# Altium PCB AATB-V2.1.PcbDoc (part 1 of 5) (continued)
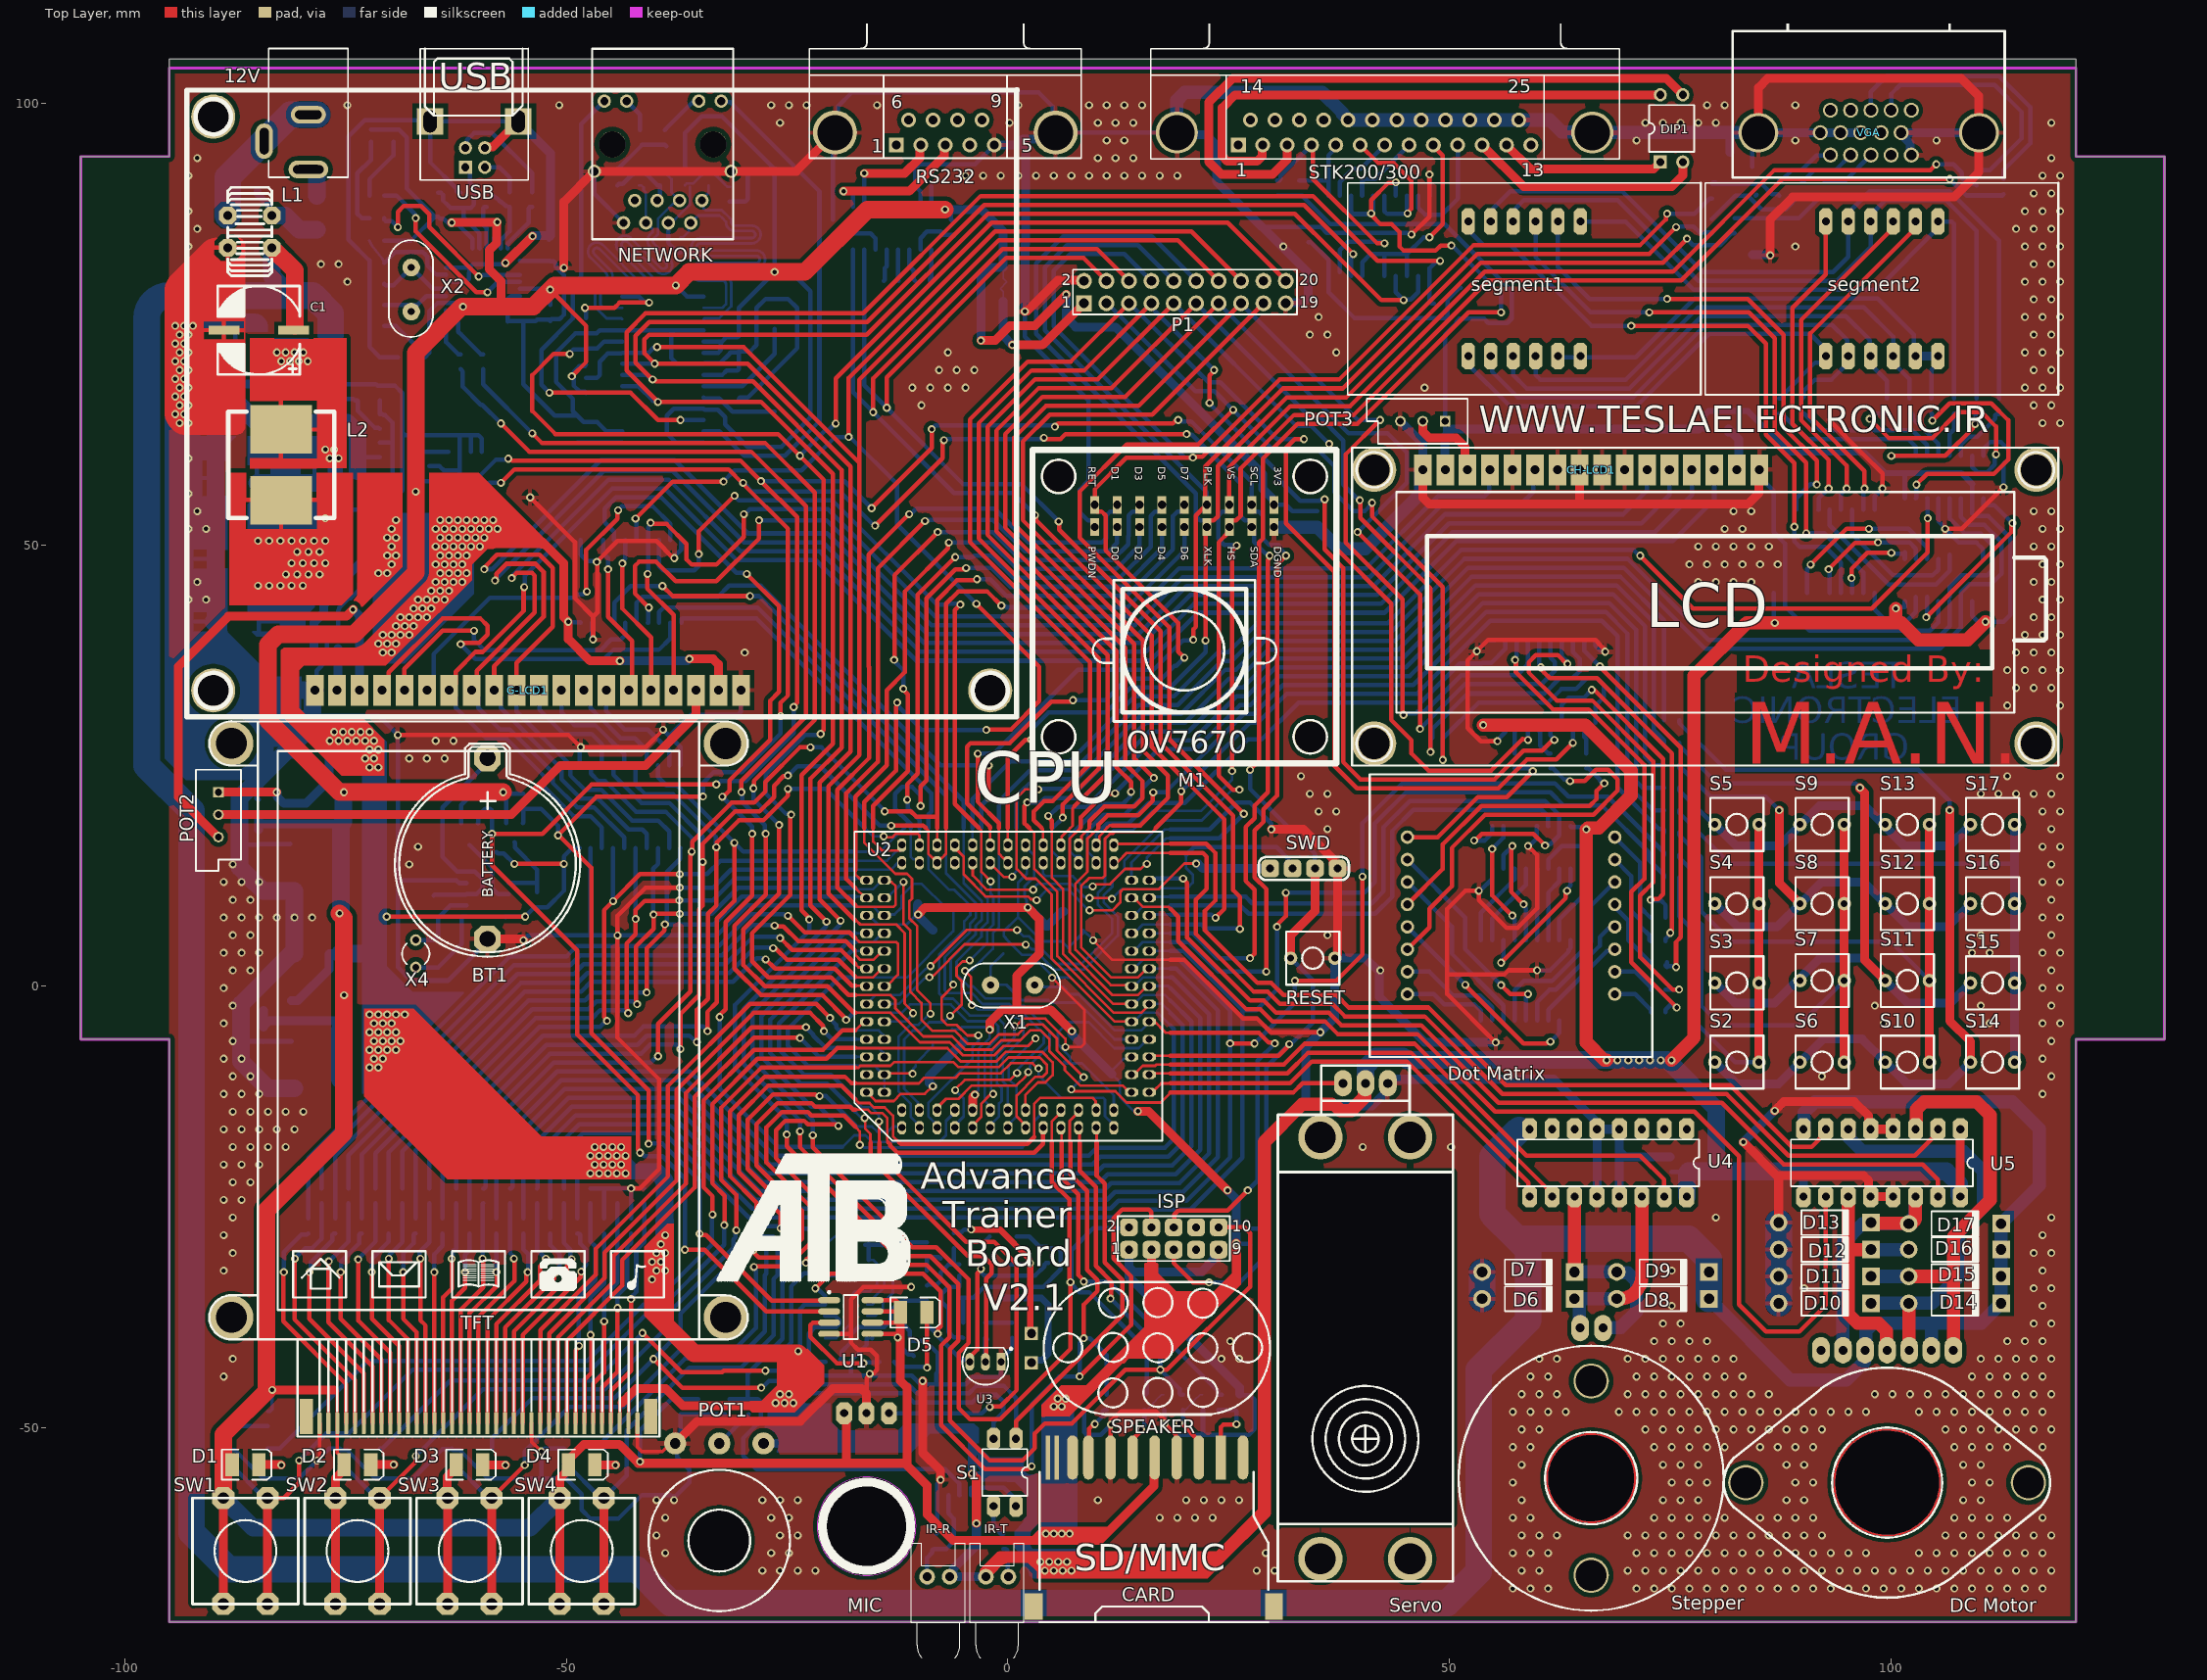
[diagram p0: Top Layer view]
## Components (designator, comment, footprint, x,y, rotation, side; value= is the part's Value field where it differs from the comment) (continued)
NETWORK "HR911105A" RJ45&LED -39.088,95.357 r270 top locked (schematic designator RJLD1)
P1 "Header 10X2" HDR2X10 8.632,77.352 r0 top
POT1 "RPot" volom -32.675,-62.775 r0 top locked value=10K (schematic designator POT3)
POT2 "RPot" VR5 -89.412,19.44 r270 top value=10K (schematic designator POT1)
POT3 "RPot" VR5 47,64 r180 top value=10K (schematic designator POT2)
Q2 "MOSFET-N" TR_P3 -55.884,17.408 r0 bottom
Q3 "MOSFET-N" TR_P3 -60.964,17.408 r0 bottom
R1 "100" SMD_R0805 112.772,90.56 r270 bottom (schematic designator R73)
R2 "220" SMD_R0805 112.264,65.668 r270 bottom (schematic designator R45)
R3 "220" SMD_R0805 109.724,65.726 r90 bottom (schematic designator R40)
R4 "100" SMD_R0805 109.724,91.576 r270 bottom (schematic designator R74)
R5 "220" SMD_R0805 107.184,65.726 r90 bottom (schematic designator R44)
R6 "220" SMD_R0805 104.644,65.726 r90 bottom (schematic designator R39)
R7 "220" SMD_R0805 102.104,65.726 r90 bottom (schematic designator R43)
R10 "75" SMD_R0805 92.456,90.424 r270 bottom (schematic designator R72)
R11 "75" SMD_R0805 89.916,90.424 r270 bottom (schematic designator R71)
R12 "75" SMD_R0805 87.376,90.424 r270 bottom (schematic designator R70)
R13 "220" SMD_R0805 89.912,65.726 r90 bottom (schematic designator R42)
R14 "220" SMD_R0805 87.372,65.726 r90 bottom (schematic designator R41)
R15 "1K" SMD_R0805 82.292,86.154 r270 bottom (schematic designator R75)
R16 "330" SMD_R1206 80.26,63.128 r180 bottom (schematic designator R38)
R17 "1K" SMD_R0805 79.752,86.154 r270 bottom (schematic designator R76)
R18 "1K" SMD_R0805 79.752,90.052 r270 bottom (schematic designator R77)
R19 "470" SMD_R0805 75.18,12.328 r0 bottom (schematic designator R86)
R20 "470" SMD_R0805 75.18,14.868 r0 bottom (schematic designator R85)
R21 "470" SMD_R0805 75.18,17.408 r0 bottom (schematic designator R84)
R22 "470" SMD_R0805 75.18,19.948 r0 bottom (schematic designator R83)
R23 "470" SMD_R0805 75.18,22.488 r0 bottom (schematic designator R81)
R24 "470" SMD_R0805 75.18,25.028 r0 bottom (schematic designator R79)
R25 "470" SMD_R0805 75.18,27.568 r0 bottom (schematic designator R76)
R26 "470" SMD_R0805 75.18,30.108 r0 bottom (schematic designator R74)
R27 "220" SMD_R0805 73.656,-2.912 r0 bottom (schematic designator R4)
R28 "220" SMD_R0805 73.656,-0.372 r0 bottom (schematic designator R2)
R29 "220" SMD_R0805 73.656,2.422 r0 bottom (schematic designator R1)
R30 "220" SMD_R0805 73.656,5.089 r0 bottom (schematic designator R3)
R31 "220" SMD_R0805 73.656,7.756 r0 bottom (schematic designator R6)
R32 "220" SMD_R0805 65.528,25.536 r90 bottom (schematic designator R5)
R33 "220" SMD_R0805 61.464,25.536 r90 bottom (schematic designator R7)
R34 "220" SMD_R0805 57.4,25.536 r90 bottom (schematic designator R9)
R35 "DNI" SMD_R0805 26.412,-47.108 r270 bottom (schematic designator R110)
R36 "220" SMD_R0805 99.568,65.726 r270 bottom
R36 "47R" SMD_R0805 24.228,-47.108 r270 bottom (schematic designator R104)
R37 "DNI" SMD_R0805 22.045,-47.108 r90 bottom (schematic designator R109)
R38 "100K" SMD_R0805 48.256,76.502 r270 bottom (schematic designator R87)
R39 "47R" SMD_R0805 19.861,-47.108 r270 bottom (schematic designator R105)
R40 "DNI" SMD_R0805 17.678,-47.108 r90 bottom (schematic designator R108)
R41 "47R" SMD_R0805 15.494,-47.108 r270 bottom (schematic designator R106)
R42 "47R" SMD_R0805 11.172,-47.108 r270 bottom (schematic designator R107)
R43 "100" SMD_R0805 -0.512,-62.856 r270 bottom (schematic designator R89)
R44 "75" SMD_R0805 -2.544,-38.98 r270 bottom (schematic designator R92)
R45 "3.3K" SMD_R0805 -6.1,-28.82 r270 bottom (schematic designator R103)
R46 "10K" SMD_R0805 -8.132,-62.856 r270 bottom (schematic designator R88)
R47 "4.7K" SMD_R0805 -9.148,-36.44 r270 bottom (schematic designator R98)
R48 "3.3K" SMD_R0805 -9.148,-33.05 r90 bottom (schematic designator R100)
R49 "2.2K" SMD_R0805 -11.688,-36.44 r90 bottom (schematic designator R102)
R50 "10K" SMD_R0805 -11.688,-32.884 r90 bottom (schematic designator R101)
R51 "1K" SMD_R0805 -11.688,-29.836 r270 bottom (schematic designator R93)
R52 "220" SMD_R0805 -13.72,-42.536 r180 bottom (schematic designator R111)
R53 "15K" SMD_R0805 -15.752,-28.312 r270 bottom (schematic designator R97)
R54 "15K" SMD_R0805 -18.292,-28.312 r270 bottom (schematic designator R96)
R55 "15K" SMD_R0805 -20.832,-28.312 r270 bottom (schematic designator R95)
R56 "10K" SMD_R0805 27.686,-28.448 r270 bottom (schematic designator R77)
R57 "15K" SMD_R0805 -29.468,-47.616 r270 bottom (schematic designator R87)
R58 "49.9" SMD_R0805 -33.903,91.576 r90 bottom (schematic designator R54)
R59 "49.9" SMD_R0805 -37.088,83.956 r270 bottom (schematic designator R53)
R60 "180" SMD_R0805 -38.612,96.148 r90 bottom
R61 "49.9" SMD_R0805 -39.374,91.576 r90 bottom (schematic designator R57)
R62 "10K" SMD_R0805 30.48,90.424 r90 bottom
R62 "1K" SMD_R0805 -41.152,-23.74 r90 bottom (schematic designator R35)
R63 "10K" SMD_R0805 33.02,90.424 r90 bottom
R63 "180" SMD_R0805 -41.152,96.148 r90 bottom (schematic designator R59)
R64 "49.9" SMD_R0805 -41.787,91.576 r270 bottom (schematic designator R58)
R65 "1K" SMD_R0805 -42.676,-27.13 r90 bottom (schematic designator R34)
R66 "1K" SMD_R0805 -44.2,-23.74 r90 bottom (schematic designator R33)
R67 "220" SMD_R0805 -45.724,-53.204 r270 bottom (schematic designator R90)
R68 "1K" SMD_R0805 -45.724,-27.13 r90 bottom (schematic designator R32)
R69 "1K" SMD_R0805 -47.248,-23.74 r90 bottom (schematic designator R31)
R70 "10K" SMD_R0805 -47.756,68.042 r270 bottom (schematic designator R55)
R71 "10K" SMD_R0805 -47.756,71.256 r270 bottom (schematic designator R56)
R72 "2.7K" SMD_R0805 -47.756,74.812 r90 bottom (schematic designator R61)
R73 "47" SMD_R0805 -48.772,-27.13 r90 bottom (schematic designator R15)
R74 "10K" SMD_R0805 -50.296,-53.204 r270 bottom (schematic designator R75)
R75 "47" SMD_R0805 -50.296,-23.74 r90 bottom (schematic designator R17)
R76 "47" SMD_R0805 -51.82,-27.13 r90 bottom (schematic designator R19)
R77 "47" SMD_R0805 -53.344,-23.74 r90 bottom (schematic designator R22)
R78 "10K" SMD_R0805 -53.344,9.788 r270 bottom (schematic designator R113)
R79 "27" SMD_R0805 -53.852,89.103 r270 bottom (schematic designator R47)
R80 "47" SMD_R0805 -54.868,-27.13 r90 bottom (schematic designator R24)
R81 "10K" SMD_R0805 -55.376,20.964 r90 bottom (schematic designator R112)
R82 "47" SMD_R0805 -56.392,-23.74 r270 bottom (schematic designator R26)
R83 "27" SMD_R0805 -56.442,89.103 r270 bottom (schematic designator R49)
R84 "47" SMD_R0805 -57.916,-27.13 r270 bottom (schematic designator R28)
R85 "10K" SMD_R0805 -57.916,14.36 r90 bottom (schematic designator R115)
R86 "220" SMD_R0805 -58.424,-53.204 r270 bottom (schematic designator R91)
R87 "10K" SMD_R0805 -58.932,20.964 r90 bottom (schematic designator R114)
R88 "1.5K" SMD_R0805 -59.032,89.103 r270 bottom (schematic designator R50)
R89 "47" SMD_R0805 -59.44,-23.74 r270 bottom (schematic designator R30)
R90 "100" SMD_R0805 -59.44,70.748 r90 bottom (schematic designator R48)
R91 "47" SMD_R0805 -60.964,-27.13 r270 bottom (schematic designator R29)
R92 "100" SMD_R0805 -61.98,70.748 r270 bottom (schematic designator R46)
R93 "47" SMD_R0805 -62.488,-23.74 r270 bottom (schematic designator R27)
R94 "10K" SMD_R0805 -62.996,-53.204 r270 bottom (schematic designator R78)
R95 "47" SMD_R0805 -64.012,-27.13 r270 bottom (schematic designator R25)
R96 "47" SMD_R0805 -65.536,-23.74 r90 bottom (schematic designator R23)
R97 "47" SMD_R0805 -67.06,-27.13 r90 bottom (schematic designator R21)
R98 "47" SMD_R0805 -68.584,-23.74 r90 bottom (schematic designator R18)
R99 "47" SMD_R0805 -70.108,-27.13 r90 bottom (schematic designator R16)
R100 "470" SMD_R0805 -71.466,84.464 r180 bottom (schematic designator R45)
R101 "330" SMD_R0805 -71.466,87.004 r180 bottom value=220 (schematic designator R52)
R102 "330" SMD_R0805 -71.466,89.544 r180 bottom value=220 (schematic designator R51)
R103 "220" SMD_R0805 -71.124,-53.204 r270 bottom (schematic designator R94)
R104 "4.7K" SMD_R0805 -71.124,63.978 r90 bottom (schematic designator R46)
R105 "47" SMD_R0805 -71.632,-23.74 r90 bottom (schematic designator R14)
R106 "47" SMD_R0805 -73.156,-27.13 r90 bottom (schematic designator R13)
R107 "1.5K" SMD_R0805 -73.664,67.192 r270 bottom (schematic designator R47)
R108 "47" SMD_R0805 -74.68,-23.74 r90 bottom (schematic designator R12)
R109 "10K" SMD_R0805 -75.696,-53.204 r270 bottom (schematic designator R80)
R110 "330" SMD_R1206 -77.22,38.236 r180 bottom (schematic designator R20)
R111 "47" SMD_R0805 -76.204,-27.13 r90 bottom (schematic designator R11)
R112 "47" SMD_R0805 -77.728,-23.74 r90 bottom (schematic designator R10)
R113 "47" SMD_R0805 -79.252,-27.13 r90 bottom (schematic designator R8)
R114 "220" SMD_R0805 -83.824,-53.204 r270 bottom (schematic designator R99)
R115 "10K" SMD_R0805 -88.396,-53.204 r270 bottom (schematic designator R82)
RESET "SW-PB" mom-sw 34.54,3.184 r0 top (schematic designator RESET1)
RS232 "D Connector 9" DSUB1.385-2H9 -7.084,106.2 r0 top locked
S1 "SW DIP-2" DIP-4#2 -0.345,-55.06 r180 top locked (schematic designator S17)
S2 "SW-PB" MOM-SW 82.578,-8.595 r0 top locked (schematic designator S4)
S3 "SW-PB" MOM-SW 82.578,0.38 r0 top locked (schematic designator S8)
S4 "SW-PB" MOM-SW 82.578,9.354 r0 top locked (schematic designator S12)
S5 "SW-PB" MOM-SW 82.578,18.329 r0 top locked (schematic designator S16)
S6 "SW-PB" MOM-SW 92.23,-8.595 r0 top locked (schematic designator S3)
S7 "SW-PB" MOM-SW 92.23,0.644 r0 top locked
S8 "SW-PB" MOM-SW 92.23,9.354 r0 top locked (schematic designator S11)
S9 "SW-PB" MOM-SW 92.23,18.329 r0 top locked (schematic designator S15)
S10 "SW-PB" MOM-SW 101.882,-8.595 r0 top locked (schematic designator S2)
S11 "SW-PB" MOM-SW 101.882,0.644 r0 top locked (schematic designator S6)
S12 "SW-PB" MOM-SW 101.882,9.354 r0 top locked (schematic designator S10)
S13 "SW-PB" MOM-SW 101.882,18.329 r0 top locked (schematic designator S14)
S14 "SW-PB" MOM-SW 111.534,-8.595 r0 top locked (schematic designator S1)
S15 "SW-PB" MOM-SW 111.534,0.38 r0 top locked (schematic designator S5)
S16 "SW-PB" MOM-SW 111.534,9.354 r0 top locked (schematic designator S9)
S17 "SW-PB" MOM-SW 111.534,18.329 r0 top locked (schematic designator S13)
segment1 "Dpy Blue-CA" "7 segment Diode" 58.5,79 r0 top locked (schematic designator segment2)
segment2 "Dpy Blue-CA" "7 segment Diode" 99,79 r0 top locked (schematic designator segment1)
Servo "SERVO MOTOR" "Motor Sevro" 40.5,-40.98 r180 top (schematic designator M3)
SPEAKER "Speaker" "SPEAKER 2.5X1.5" 17,-41 r0 top locked (schematic designator SPEAKER-1)
Stepper "DC Motor" "Motor DC 2cm" 66.068,-55.712 r270 top locked (schematic designator M2)
STK200/300 "D Connector 25" DSUB1.385-2H25A 42.675,106.2 r0 top
SW1 "SW-PB" SW-4PIN -86.356,-63.97 r270 top locked (schematic designator SW4)
SW2 "SW-PB" SW-4PIN -73.656,-63.97 r270 top locked (schematic designator SW3)
SW3 "SW-PB" SW-4PIN -60.956,-63.97 r270 top locked (schematic designator SW2)
SW4 "SW-PB" SW-4PIN -48.256,-63.97 r270 top locked (schematic designator SW1)
SWD "do not populate" SWD-PORT 33.524,13.344 r0 top (schematic designator DEBUG1)
TFT "Z320IT002" "N96 COLOR LCD" -59.952,-5 r0 top locked (schematic designator TFT1)
TP1 "STAGE3" TP -7.624,-30.852 r90 bottom (schematic designator TP3)
TP2 "STAGE1" TP -14.228,-29.328 r90 bottom (schematic designator TP1)
TP3 "STAGE2" TP -21.848,-42.536 r90 bottom (schematic designator TP2)
U1 "LM75CIMX-5" M08A_M -17.784,-37.456 r0 top (schematic designator U24)
U2 "ATMEGA 2560 - 100PIN - TQFP" CPU-100-26 0,0 r90 top locked (schematic designator U1)
U3 "LM35CZ" Z03A -2.544,-42.536 r90 top (schematic designator U20)
U4 "L293B" DIP16 68,-20 r180 top (schematic designator U12)
U5 "L293B" DIP16 99,-20 r180 top (schematic designator U11)
U6 "MC74VHC595D" 751B-05_N 106.041,45.996 r270 bottom
U7 "74F244SC" 751D-04_N 92.456,49.276 r270 bottom locked
U7 "MC74VHC595D" 751B-05_N 106.041,57.68 r270 bottom (schematic designator U5)
U9 "M74HC4017M1R" SO16_N 59.305,15.744 r90 bottom (schematic designator U4)
U10 "ULN2803A" so18_n 58.67,0.666 r270 bottom (schematic designator U3)
U11 "74F244SC" 751D-04_N 60.829,34.552 r270 bottom (schematic designator U2)
U12 "74F244SC" M20B_N 42.033,84.994 r270 bottom locked
U13 "8002" D008_M -3.052,-33.392 r0 bottom (schematic designator U21)
U14 "LM358AM" M08A_N -6.1,-55.236 r90 bottom (schematic designator U19)
U15 "MAX3232ACSE" NSO16_N -13.085,85.848 r90 bottom (schematic designator U10)
U16 "LMV358D" SO8_N -18.292,-37.964 r180 bottom (schematic designator U22)
U17 "ENC28J60 Stand-Alone Ethernet Controller with SPI Interface" SOIC127P1030X224-28M -39.067,69.859 r0 bottom (schematic designator U11)
U18 "74F244SC" 751D-04_N -42.676,45.856 r270 bottom (schematic designator U25)
U19 "74F244SC" 751D-04_N -42.804,20.329 r270 bottom (schematic designator U23)
U20 "FT232BL" LQFP-32_N -59.44,79.384 r270 bottom (schematic designator U15)
U21 "DS1307Z" SOIC8N_N -58.932,9.788 r0 bottom (schematic designator U18)
U22 "M24C02MN6" SOP8_N -61.472,58.048 r270 bottom (schematic designator U17)
U23 "LM1117MP-3.3" MP04A_N -78.236,-3.928 r0 bottom (schematic designator U10)
U24 "LM1117MP-3.3" MP04A_N -78.384,18.424 r0 bottom (schematic designator U9)
U25 "LM2596-ADJ HV" SMD-5pin-reg -83.316,68.208 r0 bottom locked (schematic designator U8)
USB "CN-USB" USB-FEMALE -61.44,93.528 r90 top locked (schematic designator CN1)
VGA "D Connector 15" D-Sub-H.D-Right-15 97.504,96.688 r180 top
X1 "11.0592Mhz" XTALL 3.044,0.136 r180 top locked
X2 "XTAL 6Mhz" XTALL -67.568,76.416 r90 top (schematic designator Y1)
X3 "25MHz" XTALL-SMD -26.42,72.272 r270 bottom (schematic designator X-1)
X4 "XTAL" R38 -67.06,3.692 r0 top (schematic designator X-2)

## Footprints (in the part's own frame and the unit in brackets; to place one, negate y for a bottom-side part, rotate by r counter-clockwise, add the part's x,y. Pads: shape width x height; smd on the part's side, far side on the other; paste and mask are expansions set on the pad)
"2X16 LCD" [mm] "VGA Camera"
  rect 2x3.5 hole 1: 1(8,-2.5) 2(10.54,-2.5) 3(13.08,-2.5) 4(15.62,-2.5) 5(18.16,-2.5) 6(20.7,-2.5) 7(23.24,-2.5) 8(25.78,-2.5) 9(28.32,-2.5) 10(30.86,-2.5) 11(33.4,-2.5) 12(35.94,-2.5) 13(38.48,-2.5) 14(41.02,-2.5) 15(43.56,-2.5) 16(46.1,-2.5)
  silkscreen extent 0,-36 80,0
3.5X2.8X1.9 [mm] "SM LED; 2 C-Bend Leads; Body 3.5 x 2.8 x 1.9 mm, inc leads (LxWxH typ)"
  rect 1.5x2.6 smd: 1(-1.5,0) 2(1.5,0)
  silkscreen extent -2.65,-1.7 2.95,1.7
6-0805_N [mm] "Chip Resistor, Body 2.0x1.2mm, IPC Medium Density"
  rect 1.2x1.4 smd: 1(-0.9,0) 2(0.9,0)
  silkscreen extent 0,-0.6 0,0.6, body extent -1.08,-0.7 1.08,0.7, height 0.7
"7 segment Diode" [mm]
  oct 1.5x3 hole 0.9: 0(-6.35,-7.62) 1(-3.81,-7.62) 2(-1.27,-7.62) 3(1.27,-7.62) 4(3.81,-7.62) 5(6.35,-7.62) 6(6.35,7.62) 7(3.81,7.62) 8(1.27,7.62) 9(-1.27,7.62) 10(-3.81,7.62) 11(-6.35,7.62)
  silkscreen extent -20,-12 20,12
"8X8 LED MATRIX" [mm] "3mm Dia & BiColor"
  round 1.524 hole 0.9: 1(11.745,1.27) 2(11.745,-6.35) 3(11.745,6.35) 4(11.745,-8.89) 5(-11.745,1.27) 6(11.745,8.89) 7(-11.745,-3.81) 8(-11.745,8.89) 9(-11.745,-8.89) 10(-11.745,-6.35) 11(-11.745,3.81) 12(11.745,3.81) 13(-11.745,6.35) 14(11.745,-1.27) 15(11.745,-3.81) 16(-11.745,-1.27)
  silkscreen extent -16,-16 16,16
751B-05_N [mm] "SOIC, 16-Leads, Body 9.9x3.9mm, Pitch 1.27mm, IPC Medium Density"
  oval 2.2x0.6 smd: 1(-2.4,4.445) 2(-2.4,3.175) 3(-2.4,1.905) 4(-2.4,0.635) 5(-2.4,-0.635) 6(-2.4,-1.905) 7(-2.4,-3.175) 8(-2.4,-4.445) 9(2.4,-4.445) 10(2.4,-3.175) 11(2.4,-1.905) 12(2.4,-0.635) 13(2.4,0.635) 14(2.4,1.905) 15(2.4,3.175) 16(2.4,4.445)
  silkscreen extent -2.52,-5 0.9,5.42, body extent -2,-5 2,5, height 1.75
751D-04_N [mm] "20-Pin Small Outline Integrated Circuit 1.27 mm Pitch, IPC Medium Density"
  oval 2x0.6 smd: 1(-4.7,5.715) 2(-4.7,4.445) 3(-4.7,3.175) 4(-4.7,1.905) 5(-4.7,0.635) 6(-4.7,-0.635) 7(-4.7,-1.905) 8(-4.7,-3.175) 9(-4.7,-4.445) 10(-4.7,-5.715) 11(4.7,-5.715) 12(4.7,-4.445) 13(4.7,-3.175) 14(4.7,-1.905) 15(4.7,-0.635) 16(4.7,0.635) 17(4.7,1.905) 18(4.7,3.175) 19(4.7,4.445) 20(4.7,5.715)
  silkscreen extent -4.82,-6.5 3.3,6.69, body extent -3.8,-6.5 3.8,6.5, height 2.65
BAT-3V [mm]
  oct 3x3 hole 1.8 mask+0.102: 1(12,0) 2(-8.5,0)
  silkscreen extent -10.5,-10.5 13.63,10.5, body extent -11.35,-11.15 12.95,11.15, height 8.7
CN_FILTE [mm]
  oct 2x2 hole 1: 1(2.5,-1.827) 2(-2.5,-1.827) 3(2.5,1.827) 4(-2.5,1.827)
  silkscreen extent -2.5,-5 2.5,5
CPU-100-26 [mm]
  oct 1.5x1 hole 0.8: 1(-16,12) 2(-14,12) 3(-16,10) 4(-14,10) 5(-16,8) 6(-14,8) 7(-16,6) 8(-14,6) 9(-16,4) 10(-14,4) 11(-16,2) 11(-14,-12) 11(14,12) 12(-14,2) 13(-16,0) 14(-14,0) 15(-16,-2) 16(-14,-2) 17(-16,-4) 18(-14,-4) 19(-16,-6) 20(-14,-6) 21(-16,-8) 22(-14,-8) 23(-16,-10) 24(-14,-10) 25(-16,-12) 51(16,-12) 52(14,-12) 53(16,-10) 54(14,-10) 55(16,-8) 56(14,-8) 57(16,-6) 58(14,-6) 59(16,-4) 60(14,-4) 61(16,-2) 62(14,-2) 63(16,0) 64(14,0) 65(16,2) 66(14,2) 67(16,4) 68(14,4) 69(16,6) 70(14,6) 71(16,8) 72(14,8) 73(16,10) 74(14,10) 75(16,12)
  oct 1x1.5 hole 0.8: 11(-12,14) 11(12,-14) 26(-12,-16) 27(-12,-14) 28(-10,-16) 29(-10,-14) 30(-8,-16) 31(-8,-14) 32(-6,-16) 33(-6,-14) 34(-4,-16) 35(-4,-14) 36(-2,-16) 37(-2,-14) 38(0,-16) 39(0,-14) 40(2,-16) 41(2,-14) 42(4,-16) 43(4,-14) 44(6,-16) 45(6,-14) 46(8,-16) 47(8,-14) 48(10,-16) 49(10,-14) 50(12,-16) 76(12,16) 77(12,14) 78(10,16) 79(10,14) 80(8,16) 81(8,14) 82(6,16) 83(6,14) 84(4,16) 85(4,14) 86(2,16) 87(2,14) 88(0,16) 89(0,14) 90(-2,16) 91(-2,14) 92(-4,16) 93(-4,14) 94(-6,16) 95(-6,14) 96(-8,16) 97(-8,14) 98(-10,16) 99(-10,14) 100(-12,16)
  silkscreen extent -17.5,-17.5 17.5,17.37
D008_M [mm] "SOIC, 8-Leads, Body 4.9x3.9mm, Pitch 1.27mm, IPC Low Density"
  oval 2.5x0.7 smd: 1(-2.45,1.905) 2(-2.45,0.635) 3(-2.45,-0.635) 4(-2.45,-1.905) 5(2.45,-1.905) 6(2.45,-0.635) 7(2.45,0.635) 8(2.45,1.905)
  silkscreen extent -2.57,-2.5 0.8,2.93, body extent -2,-2.5 2,2.5, height 1.75
D-Sub-H.D-Right-15 [mm] "3-row 15pin VGA right angle connector"
  round 1.7 hole 1.2 unplated: 1(4.33,2.54) 2(2.04,2.54) 3(-0.25,2.54) 4(-2.54,2.54) 5(-4.83,2.54) 6(5.475,0) 7(3.185,0) 8(0.895,0) 9(-1.395,0) 10(-3.685,0) 11(4.33,-2.54) 12(2.04,-2.54) 13(-0.25,-2.54) 14(-2.54,-2.54) 15(-4.83,-2.54)
  round 4.5 hole 3.8: 16(-12.495,0) 17(12.495,0)
  silkscreen extent -15.4,-16.78 15.4,5.08, body extent -15.4,-17.4 15.4,4.8, height 12.47
D_SMA [mm] "L=4.5mm W=3mm"
  rect 2x3 smd: 1(-2.35,0) 2(2.35,0)
  silkscreen extent -2.75,-1.92 2.75,1.92, body extent -2.79,-1.96 2.75,1.98, height 2.6
DIP16 [mm] "DIP; 16 Leads; Row Spacing 7.62 mm; Pitch 2.54 mm"
  oct 1.7x2.5 hole 0.9 mask+0.102: 1(-8.89,-3.81) 2(-6.35,-3.81) 3(-3.81,-3.81) 4(-1.27,-3.81) 5(1.27,-3.81) 6(3.81,-3.81) 7(6.35,-3.81) 8(8.89,-3.81) 9(8.89,3.81) 10(6.35,3.81) 11(3.81,3.81) 12(1.27,3.81) 13(-1.27,3.81) 14(-3.81,3.81) 15(-6.35,3.81) 16(-8.89,3.81)
  silkscreen extent -10.3,-2.65 10.3,2.65
DIP-4#1 [mm] "DIP; 4 Leads; Row Spacing 7.62 mm; Pitch 2.54 mm"
  rect 1.5x1.5 hole 0.9: 1(-1.27,-3.81)
  round 1.5 hole 0.9: 2(1.27,-3.81) 3(1.27,3.81) 4(-1.27,3.81)
  silkscreen extent -2.55,-2.65 2.55,2.65
DIP-4#2 [mm] "DIP; 4 Leads; Row Spacing 7.62 mm; Pitch 2.54 mm"
  oct 1.5x2.5 hole 0.9: 1(-1.27,-3.81) 2(1.27,-3.81) 3(1.27,3.81) 4(-1.27,3.81)
  silkscreen extent -2.55,-2.65 2.55,2.65
DL-35 [mm]
  rect 1.5x1.2 smd: 1(0,1.75) 2(0,-1.75)
  silkscreen extent -0.8,-0.85 0.78,0.85, body extent -0.8,-1.95 0.8,1.75, height 1.6
DO-41 [mm] "Diode, Axial; Body 5.2 x 2.7 mm (LxDia. max), Lead Dia. 0.86 mm (max)"
  round 2 hole 1.2: 1(-5.23,0)
  rect 2x2 hole 1.2: 2(5.23,0)
  silkscreen extent -2.65,-1.41 2.75,1.4
DSUB1.385-2H9 [mm] "Connector; D Subminiature; 9 Position; Right Angle; Pitch 1.385 mm"
  rect 1.69x1.69 hole 1: 1(-5.54,-10.92)
  round 1.69 hole 1: 2(-2.77,-10.92) 3(0,-10.92) 4(2.77,-10.92) 5(5.54,-10.92) 6(-4.155,-8.08) 7(-1.385,-8.08) 8(1.385,-8.08) 9(4.155,-8.08)
  round 5 hole 4: 10(-12.495,-9.5) 11(12.495,-9.5)
  silkscreen extent -15.4,-12.4 15.4,6
DSUB1.385-2H25A [mm] "Connector; D Subminiature; 25 Position; Right Angle; Pitch 1.385 mm"
  rect 1.69x1.69 hole 1: 1(-16.566,-10.92)
  round 1.69 hole 1: 2(-13.805,-10.92) 3(-11.044,-10.92) 4(-8.283,-10.92) 5(-5.522,-10.92) 6(-2.761,-10.92) 7(0,-10.92) 8(2.761,-10.92) 9(5.522,-10.92) 10(8.283,-10.92) 11(11.044,-10.92) 12(13.805,-10.92) 13(16.566,-10.92) 14(-15.185,-8.08) 15(-12.424,-8.08) 16(-9.663,-8.08) 17(-6.902,-8.08) 18(-4.141,-8.08) 19(-1.38,-8.08) 20(1.381,-8.08) 21(4.142,-8.08) 22(6.903,-8.08) 23(9.664,-8.08) 24(12.425,-8.08) 25(15.186,-8.08)
  round 4.76 hole 4: 26(-23.526,-9.5) 27(23.526,-9.5)
  silkscreen extent -26.5,-12.5 26.6,6
HDR2X5 [mm] "Connector; Header; 5x2 Position"
  rrect50% 2x2 hole 0.9: 1(0,0) 2(0,2.54) 3(2.54,0) 4(2.54,2.54) 5(5.08,0) 6(5.08,2.54) 7(7.62,0) 8(7.62,2.54) 9(10.16,0) 10(10.16,2.54)
  silkscreen extent -1.27,-1.27 11.43,3.81
HDR2X10 [mm] "Connector; Header; 10x2 Position"
  rect 1.8x1.8 hole 1.1: 1(0,0)
  round 1.8 hole 1.1: 2(0,2.54) 3(2.54,0) 4(2.54,2.54) 5(5.08,0) 6(5.08,2.54) 7(7.62,0) 8(7.62,2.54) 9(10.16,0) 10(10.16,2.54) 11(12.7,0) 12(12.7,2.54) 13(15.24,0) 14(15.24,2.54) 15(17.78,0) 16(17.78,2.54) 17(20.32,0) 18(20.32,2.54) 19(22.86,0) 20(22.86,2.54)
  silkscreen extent -1.27,-1.27 24.13,3.81
KLD-0202 [mm] "DC Power Jack, 2.5mm, KLD Series, PCB Mount"
  oval 2x4.5 hole 1 slot 3 at 90 deg: 1(13.7,0)
  round 1.5 hole 1: 1A(13.7,-1.25) 1B(13.7,1.25) 2A(7.5,-1) 2B(7.5,1) 3A(9.5,-5) 3B(11.5,-5)
  oval 2x4 hole 1 slot 3 at 90 deg: 2(7.5,0)
  oval 4x2 hole 1 slot 3 at 0 deg: 3(10.5,-5)
  silkscreen extent 0,-4.5 14.6,4.5
LCD-128X64-ST7920 [mm]
  rect 2x3.5 hole 1: 1(15.76,-32.46) 2(13.22,-32.46) 3(10.68,-32.46) 4(8.14,-32.46) 5(5.6,-32.46) 6(3.06,-32.46) 7(0.52,-32.46) 8(-2.02,-32.46) 9(-4.56,-32.46) 10(-7.1,-32.46) 11(-9.64,-32.46) 12(-12.18,-32.46) 13(-14.72,-32.46) 14(-17.26,-32.46) 15(-19.8,-32.46) 16(-22.34,-32.46) 17(-24.88,-32.46) 18(-27.42,-32.46) 19(-29.96,-32.46) 20(-32.5,-32.46)
  silkscreen extent -47,-35.5 47.1,35.6
LED-0 [mil] "LED; 2 Leads"
  round 70 hole 39.37: 1(50,0) 2(-50,0)
  silkscreen extent -120,-400 120,150
LED_0603_1608 [mm]
  rect 0.6x0.8 smd: 1(-0.7,0) 2(0.7,0)
  silkscreen extent -0.2,-0.58 1.05,1.05, body extent -0.8,-0.4 0.8,0.4, height 0.6
LQFP-32_N [mm] "Thin QFP, 32-Leads, Body 7x7mm, Pitch 0.8mm, IPC Medium Density"
  oval 1.65x0.55 smd: 1(-4.2,2.8) 2(-4.2,2) 3(-4.2,1.2) 4(-4.2,0.4) 5(-4.2,-0.4) 6(-4.2,-1.2) 7(-4.2,-2) 8(-4.2,-2.8) 17(4.2,-2.8) 18(4.2,-2) 19(4.2,-1.2) 20(4.2,-0.4) 21(4.2,0.4) 22(4.2,1.2) 23(4.2,2) 24(4.2,2.8)
  oval 0.55x1.65 smd: 9(-2.8,-4.2) 10(-2,-4.2) 11(-1.2,-4.2) 12(-0.4,-4.2) 13(0.4,-4.2) 14(1.2,-4.2) 15(2,-4.2) 16(2.8,-4.2) 25(2.8,4.2) 26(2,4.2) 27(1.2,4.2) 28(0.4,4.2) 29(-0.4,4.2) 30(-1.2,4.2) 31(-2,4.2) 32(-2.8,4.2)
  silkscreen extent -4.32,-2.95 2.95,3.75, body extent -3.5,-3.5 3.5,3.5, height 1.6
M7-4007 [mm]
  rect 1.96x2.04 smd: 1(-1.81,0) 2(1.81,0)
  silkscreen extent -2.07,-1.33 2.07,1.32, body extent -2.65,-1.55 2.65,1.55, height 2.45
M08A_M [mm] "SOIC, 8-Leads, Body 4.9x3.9mm, Pitch 1.27mm, IPC Low Density"
  oval 2.5x0.7 smd: 1(-2.45,1.905) 2(-2.45,0.635) 3(-2.45,-0.635) 4(-2.45,-1.905) 5(2.45,-1.905) 6(2.45,-0.635) 7(2.45,0.635) 8(2.45,1.905)
  silkscreen extent -2.57,-2.5 0.8,2.93, body extent -2,-2.5 2,2.5, height 1.75
M08A_N [mm] "SOIC, 8-Leads, Body 4.9x3.9mm, Pitch 1.27mm, IPC Medium Density"
  oval 2.2x0.6 smd: 1(-2.4,1.905) 2(-2.4,0.635) 3(-2.4,-0.635) 4(-2.4,-1.905) 5(2.4,-1.905) 6(2.4,-0.635) 7(2.4,0.635) 8(2.4,1.905)
  silkscreen extent -2.52,-2.5 0.9,2.88, body extent -2,-2.5 2,2.5, height 1.75
M20B_N [mm] "SOIC, 20-Leads, Body 12.8x7.5mm, Pitch 1.27mm, IPC Medium Density"
  oval 2.3x0.6 smd: 1(-4.55,5.715) 2(-4.55,4.445) 3(-4.55,3.175) 4(-4.55,1.905) 5(-4.55,0.635) 6(-4.55,-0.635) 7(-4.55,-1.905) 8(-4.55,-3.175) 9(-4.55,-4.445) 10(-4.55,-5.715) 11(4.55,-5.715) 12(4.55,-4.445) 13(4.55,-3.175) 14(4.55,-1.905) 15(4.55,-0.635) 16(4.55,0.635) 17(4.55,1.905) 18(4.55,3.175) 19(4.55,4.445) 20(4.55,5.715)
  silkscreen extent -4.67,-6.5 3,6.69, body extent -3.75,-6.4 3.75,6.4, height 2.6
MAX4466-Module [mm] "MIC WITH PRE-AMP"
  oct 1.8x2.5 hole 0.9 unplated: 1(2.54,-9) 2(-2.54,-9) 3(0,-9)
  silkscreen extent -5,-1.19 5,8.81
mom-sw [mm]
  round 1.524 hole 0.8: 1(-2.5,0) 2(2.5,0)
  silkscreen extent -3,-3 3,3, body extent -3,-3 3,3.2, height 5.5
MOM-SW [mm]
  round 1.524 hole 0.8: 1(-2.5,0) 2(2.5,0)
  silkscreen extent -3,-3 3,3
"Motor DC 2cm" [mm]
  oval 3x2 hole 1: 1(-17,1.34) 2(-17,-1.24)
  Multi-Layer circle w0.254: c-11,0 r1
  Multi-Layer circle w0.254: c11,0 r1
  Multi-Layer circle w0.254: c0,0 r5
  silkscreen extent -15,-15 15,15
"Motor Sevro" [mm]
  oval 2x3 hole 1: 1(-2.54,-30) 2(0,-30) 3(2.54,-30)
  Multi-Layer circle w0.254: c5.08,-23.876 r2.25
  Multi-Layer circle w0.254: c-5.08,-23.876 r2.25
  Multi-Layer circle w0.254: c5.08,23.876 r2.25
  Multi-Layer circle w0.254: c-5.08,23.876 r2.25
  silkscreen extent -9.91,-32 9.91,26.42
"Motor Step" [mm]
  oval 2x3 hole 1: 1(-7.5,-15) 2(-5,-15) 3(-2.5,-15) 4(0,-15) 5(2.5,-15) 6(5,-15) 7(7.5,-15)
  Multi-Layer circle w0.254: c0,0 r6
  Multi-Layer circle w0.254: c16,0 r1.65
  Multi-Layer circle w0.254: c-16,0 r1.65
  silkscreen extent -18.46,-13.03 18.5,13.03
MP04A_N [mm] "SOT223, 4-Leads, Body 6.5x3.5mm, Pitch 2.3mm, Lead Span 7mm, IPC Medium Density"
  rect 2.4x1 smd: 1(-2.9,2.3) 2(-2.9,0) 3(-2.9,-2.3)
  rect 2.4x3.3 smd: 4(2.9,0)
  silkscreen extent -3.02,-3.35 1.4,3.47, body extent -1.85,-3.35 1.85,3.35, height 1.8
"N96 COLOR LCD" [mm]
  rect 1.5x4 smd: 0(-19.5,-43.75) 38(19.5,-43.75)
  rrect50% 0.45x2.5 smd: 1(-18,-44.5) 2(-17,-44.5) 3(-16,-44.5) 4(-15,-44.5) 5(-14,-44.5) 6(-13,-44.5) 7(-12,-44.5) 8(-11,-44.5) 9(-10,-44.5) 10(-9,-44.5) 11(-8,-44.5) 12(-7,-44.5) 13(-6,-44.5) 14(-5,-44.5) 15(-4,-44.5) 16(-3,-44.5) 17(-2,-44.5) 18(-1,-44.5) 19(0,-44.5) 20(1,-44.5) 21(2,-44.5) 22(3,-44.5) 23(4,-44.5) 24(5,-44.5) 25(6,-44.5) 26(7,-44.5) 27(8,-44.5) 28(9,-44.5) 29(10,-44.5) 30(11,-44.5) 31(12,-44.5) 32(13,-44.5) 33(14,-44.5) 34(15,-44.5) 35(16,-44.5) 36(17,-44.5) 37(18,-44.5)
  Multi-Layer circle w0.1: c28,32.5 r1.5
  Multi-Layer circle w0.1: c-28,32.5 r1.5
  Multi-Layer circle w0.1: c-28,-32.5 r1.5
  Multi-Layer circle w0.1: c28,-32.5 r1.5
  silkscreen extent -30.5,-46 30.5,35.01
NSO16_N [mm] "SOIC, 16-Leads, Body 9.9x3.9mm, Pitch 1.27mm, IPC Medium Density"
  oval 2.2x0.6 smd: 1(-2.4,4.445) 2(-2.4,3.175) 3(-2.4,1.905) 4(-2.4,0.635) 5(-2.4,-0.635) 6(-2.4,-1.905) 7(-2.4,-3.175) 8(-2.4,-4.445) 9(2.4,-4.445) 10(2.4,-3.175) 11(2.4,-1.905) 12(2.4,-0.635) 13(2.4,0.635) 14(2.4,1.905) 15(2.4,3.175) 16(2.4,4.445)
  silkscreen extent -2.52,-5 0.9,5.42, body extent -1.95,-4.95 1.95,4.95, height 1.75
OV7670 [mm] "VGA Camera"
  rect 1x2 hole 0.9 unplated: 1(10.16,-9) 2(10.16,-11.54) 3(7.62,-9) 4(7.62,-11.54) 5(5.08,-9) 6(5.08,-11.54) 7(2.54,-9) 8(2.54,-11.54) 9(0,-9) 10(0,-11.54) 11(-2.54,-9) 12(-2.54,-11.54) 13(-5.08,-9) 14(-5.08,-11.54) 15(-7.62,-9) 16(-7.62,-11.54) 17(-10.16,-9) 18(-10.16,-11.54)
  round 4 hole 3.5 unplated: ""(-14.25,14.75) ""(-14.25,-14.75) ""(14.25,14.75) ""(14.25,-14.75)
  silkscreen extent -17.2,-17.75 17.2,17.75
R38 [mm] "Crystal, Thru-Hole; 2 Leads; Body 3.1 x 8.2 mm (Dia.xH)"
  round 1.3 hole 0.8: 1(0,1.55) 2(0,-1.55)
  silkscreen extent -1.55,-1.19 1.55,1.17
RJ45&LED [mm] "Ethernet Connector"
  round 1.524 hole 0.9: 1(6.35,4.445) 2(8.89,3.175) 3(6.35,1.905) 4(8.89,0.635) 5(6.35,-0.635) 6(8.89,-1.905) 7(6.35,-3.175) 8(8.89,-4.445) 9(-4.9,6.625) 10(-4.9,4.085) 11(-4.9,-4.085) 12(-4.9,-6.625)
  round 1.5 hole 1: 13(3.048,7.745) 14(3.05,-7.745)
  round 3 hole 3 unplated: ""(0,5.715) ""(0,-5.715)
  silkscreen extent -10.84,-7.99 10.76,7.99
"SD/MMC  CONNECTOR" [mm]
  rect 2x3 smd: 0(-23.5,16.9) 0(3.7,16.9)
  rect 1.2x5 smd: 1(-17.5,0)
  oval 1.2x5 smd: 2(-15,0) 3(-12.5,0) 4(-10,0) 5(-7.5,0) 6(-5,0) 7(-2.5,0) 8(-0.7,0) 9(-20,0)
  rect 0.5x5 smd: sw1(1.1,0) sw2(2.1,0)
  silkscreen extent -22.86,1.65 3.05,18.67
SelfFuse-1206 [mm]
  rect 1.25x1.7 smd: 1(-1.775,0) 2(1.775,0)
  Top Layer lines w0.15: 1.775,0 0.7,0 0.35,0.35 -0.4,-0.4 -0.5,-0.3 -0.8,0 -1.775,0
  silkscreen extent -2.6,-1.5 2.6,1.5
SMD-5pin-reg [mm]
  rect 2.5x1.1 smd: 1(6.7,-3.404) 2(6.7,-1.702) 3(6.7,0) 4(6.7,1.702) 5(6.7,3.404)
  rect 7x10.8 smd: 6(-4.2,0)
  silkscreen extent -8,-5.7 8.1,5.7, body extent -6.28,-5.2 8.09,5.21, height 4.85
SMD_C0805 [mm] "Chip Capacitor, 2-Leads, Body 2.0x1.3mm, IPC Medium Density"
  rect 0.8x1.35 smd: 1(-0.85,0) 2(0.85,0)
  silkscreen extent -0.2,-0.7 0.2,0.7, body extent -1,-0.6 1,0.6, height 1
SMD_C1206 [mm] "Chip Capacitor, 2-Leads, Body 3.1x1.5mm, IPC Medium Density"
  rect 0.95x1.7 smd: 1(-1.35,0) 2(1.35,0)
  silkscreen extent -0.35,-0.9 0.35,0.9, body extent -1.6,-0.8 1.6,0.8, height 1
SMD_C3528-P [mm] "Tantalum"
  rect 1.95x2.5 smd: 1(-1.525,0) 2(1.525,0)
  silkscreen extent -3.08,-1.43 2.68,2.35, body extent -1.71,-1.39 1.75,1.41, height 1.94
SMD_CAP_6X6_B6 [mm]
  rect 3.5x1.1 smd: 1(-2.6,0) 2(2.6,0)
  silkscreen extent -3.33,-3.3 3.33,3.3, body extent -3.5,-3.3 3.5,3.3, height 6.91
SMD_CAP_10X10 [mm]
  rect 3.5x1 smd: 1(-3.95,0) 2(3.95,0)
  silkscreen extent -4.65,-5 4.65,5, body extent -5.05,-5.05 5.05,5.05, height 10.5
SMD_IND_12X12 [mm]
  rect 5.5x7 smd: 1(-4,0) 2(4,0)
  silkscreen extent -6,-6 6,6, body extent -5.99,-6.02 6.01,5.98, height 5.92
SMD_R0805 [mm] "Chip Resistor, 2-Leads, Body 2.0x1.3mm, IPC Medium Density"
  rect 0.8x1.35 smd: 1(-0.85,0) 2(0.85,0)
  silkscreen extent -0.2,-0.7 0.2,0.7, body extent -1,-0.6 1,0.6, height 0.45
SMD_R1206 [mm] "Chip Resistor, 2-Leads, Body 3.0x1.5mm, IPC Medium Density"
  rect 0.95x1.7 smd: 1(-1.35,0) 2(1.35,0)
  silkscreen extent -0.35,-0.85 0.35,0.85, body extent -1.6,-0.8 1.6,0.8, height 0.55
SO8_N [mm] "8-Pin Small Outline Integrated Circuit 1.27 mm Pitch, IPC Medium Density"
  oval 2.2x0.6 smd: 1(-2.4,1.905) 2(-2.4,0.635) 3(-2.4,-0.635) 4(-2.4,-1.905) 5(2.4,-1.905) 6(2.4,-0.635) 7(2.4,0.635) 8(2.4,1.905)
  silkscreen extent -2.53,-2.5 0.9,2.88, body extent -1.95,-2.45 1.95,2.45, height 1.75
SO16_N [mm] "SOIC, 16-Leads, Body 9.9x3.9mm, Pitch 1.27mm, IPC Medium Density"
  oval 2.2x0.6 smd: 1(-2.4,4.445) 2(-2.4,3.175) 3(-2.4,1.905) 4(-2.4,0.635) 5(-2.4,-0.635) 6(-2.4,-1.905) 7(-2.4,-3.175) 8(-2.4,-4.445) 9(2.4,-4.445) 10(2.4,-3.175) 11(2.4,-1.905) 12(2.4,-0.635) 13(2.4,0.635) 14(2.4,1.905) 15(2.4,3.175) 16(2.4,4.445)
  silkscreen extent -2.52,-5 0.9,5.42, body extent -1.95,-4.95 1.95,4.95, height 1.75
so18_n [mm] "SOP, 18-Leads, Body 11.8x7.5mm (max), Pitch 1.27mm, IPC Medium Density"
  oval 2.3x0.6 smd: 1(-4.55,5.08) 2(-4.55,3.81) 3(-4.55,2.54) 4(-4.55,1.27) 5(-4.55,0) 6(-4.55,-1.27) 7(-4.55,-2.54) 8(-4.55,-3.81) 9(-4.55,-5.08) 10(4.55,-5.08) 11(4.55,-3.81) 12(4.55,-2.54) 13(4.55,-1.27) 14(4.55,0) 15(4.55,1.27) 16(4.55,2.54) 17(4.55,3.81) 18(4.55,5.08)
  silkscreen extent -4.67,-5.9 3,6.05, body extent -3.75,-5.87 3.75,5.87, height 2.65
SOIC8N_N [mm] "8-Pin Small Outline Integrated Circuit 1.27 mm Pitch, IPC Medium Density"
  oval 2.2x0.6 smd: 1(-2.4,1.905) 2(-2.4,0.635) 3(-2.4,-0.635) 4(-2.4,-1.905) 5(2.4,-1.905) 6(2.4,-0.635) 7(2.4,0.635) 8(2.4,1.905)
  silkscreen extent -2.52,-2.5 0.9,2.88, body extent -1.95,-2.45 1.95,2.45, height 1.75
SOIC127P1030X224-28M [mm] "SOIC, 28-Leads, Body 18.1x7.6mm (max), Pitch 1.27mm, IPC Low Density"
  rect 2.6x0.7 smd: 1(-4.625,8.255) 2(-4.625,6.985) 3(-4.625,5.715) 4(-4.625,4.445) 5(-4.625,3.175) 6(-4.625,1.905) 7(-4.625,0.635) 8(-4.625,-0.635) 9(-4.625,-1.905) 10(-4.625,-3.175) 11(-4.625,-4.445) 12(-4.625,-5.715) 13(-4.625,-6.985) 14(-4.625,-8.255) 15(4.625,-8.255) 16(4.625,-6.985) 17(4.625,-5.715) 18(4.625,-4.445) 19(4.625,-3.175) 20(4.625,-1.905) 21(4.625,-0.635) 22(4.625,0.635) 23(4.625,1.905) 24(4.625,3.175) 25(4.625,4.445) 26(4.625,5.715) 27(4.625,6.985) 28(4.625,8.255)
  silkscreen extent -4.75,-9.05 2.93,9.28, body extent -3.79,-9.03 3.8,9.03, height 2.24
SOP8_N [mm] "8-Pin Small Outline Integrated Circuit 1.27 mm Pitch, IPC Medium Density"
  oval 2x0.6 smd: 1(-2.5,1.905) 2(-2.5,0.635) 3(-2.5,-0.635) 4(-2.5,-1.905) 5(2.5,-1.905) 6(2.5,-0.635) 7(2.5,0.635) 8(2.5,1.905)
  silkscreen extent -2.62,-2.5 1.1,2.88, body extent -2,-2.5 2,2.5, height 1.75
"SPEAKER 2.5X1.5" [mm]
  rect 1.5x1.5 hole 1: 1(-14.326,1.676) 2(-14.326,-1.651)
  silkscreen extent -12.93,-7.5 12.7,7.5
SW-4PIN [mm]
  oct 2.5x2.5 hole 1.3: 1(-6,2.5) 1(6,2.5) 2(-6,-2.5) 2(6,-2.5)
  silkscreen extent -6,-6 6,6, body extent -7.35,-5.99 7.35,6.07, height 10
SWD-PORT [mm] "2.54mm-SWD Programming Port"
  rrect50% 2x2 hole 0.9: 1(-3.81,0) 2(-1.27,0) 3(1.27,0) 4(3.81,0)
  silkscreen extent -5.1,-1.3 5.1,1.3
TP [mm] "test point !"
  round 0.7 smd paste-0.5 mask+0: 1(0,0)
  silkscreen extent -0.37,-0.37 0.37,0.37
TR_P3 [mm] "L=2.92 W=1.3mm"
  rrect60% 0.6x1.25 smd: 1(0,1.075) 2(-0.95,-1.075) 3(0.95,-1.075)
  silkscreen extent -1.5,-0.65 1.5,0.65, body extent -1.45,-1.3 1.45,1.1, height 1.1
USB-FEMALE [mm]
  rect 1.5x1.5 hole 0.9: 1(-0.762,0)
  round 1.5 hole 0.9: 2(1.438,0) 3(-0.762,-2.2) 4(1.438,-2.2)
  rect 3x3 hole 1.5 slot 2.5 at 0 deg: 5(4.438,4) 5(4.438,-6)
  silkscreen extent -2.2,-7.11 12.7,5.12
volom [mm]
  round 2.5 hole 1.2: 1(-5,11) 2(5,11) 3(0,11)
  silkscreen extent -8,-8 8,8
VR5 [mm] "Potentiometer; 3 Leads"
  rect 1.2x1.2 hole 0.8: 1(-2.54,0)
  round 1.2 hole 0.8: 2(0,0) 3(2.54,0)
  silkscreen extent -5.08,-2.54 6.35,2.54
XTALL [mm]
  round 2 hole 0.8: 1(0,0) 2(5,0)
  silkscreen extent -2.88,-2.46 8.08,2.54, body extent -3.01,-2.32 8.16,2.35, height 3.63
XTALL-SMD [mm]
  rect 4.5x1.2 smd: 1(-2.2,0) 2(7.2,0)
  silkscreen extent -2.88,-2.46 8.08,2.54, body extent -2.88,-2.46 8.09,2.54, height 3
Z03A [mm] "TO, Flat Index; 3 In-Line, Axial Leads; Body Dia. 5mm; Leads 0.55 x 0.50 mm (max)"
  rect 2x1 hole 0.8: 1(0,-1.77)
  oval 2x1 hole 0.8: 2(0,0) 3(0,1.77)
  silkscreen extent -2.6,-3.03 1.6,2.6, body extent -2.6,-2.61 1.6,2.61, height 5.2